# Altium PCB HallFM.PcbDoc
Units mm, origin at the board's own origin, x right, y up, seen from the top; angles counter-clockwise.
Board outline 376.73 x 193.8 mm, 4 copper layers (Top Layer, Signal Layer 1, Signal Layer 2, Bottom Layer), stack 0.778 mm thick; 232 components, 162 nets, 860 pads, 5 vias.
Unrouted connection lines stored in the file: 397.
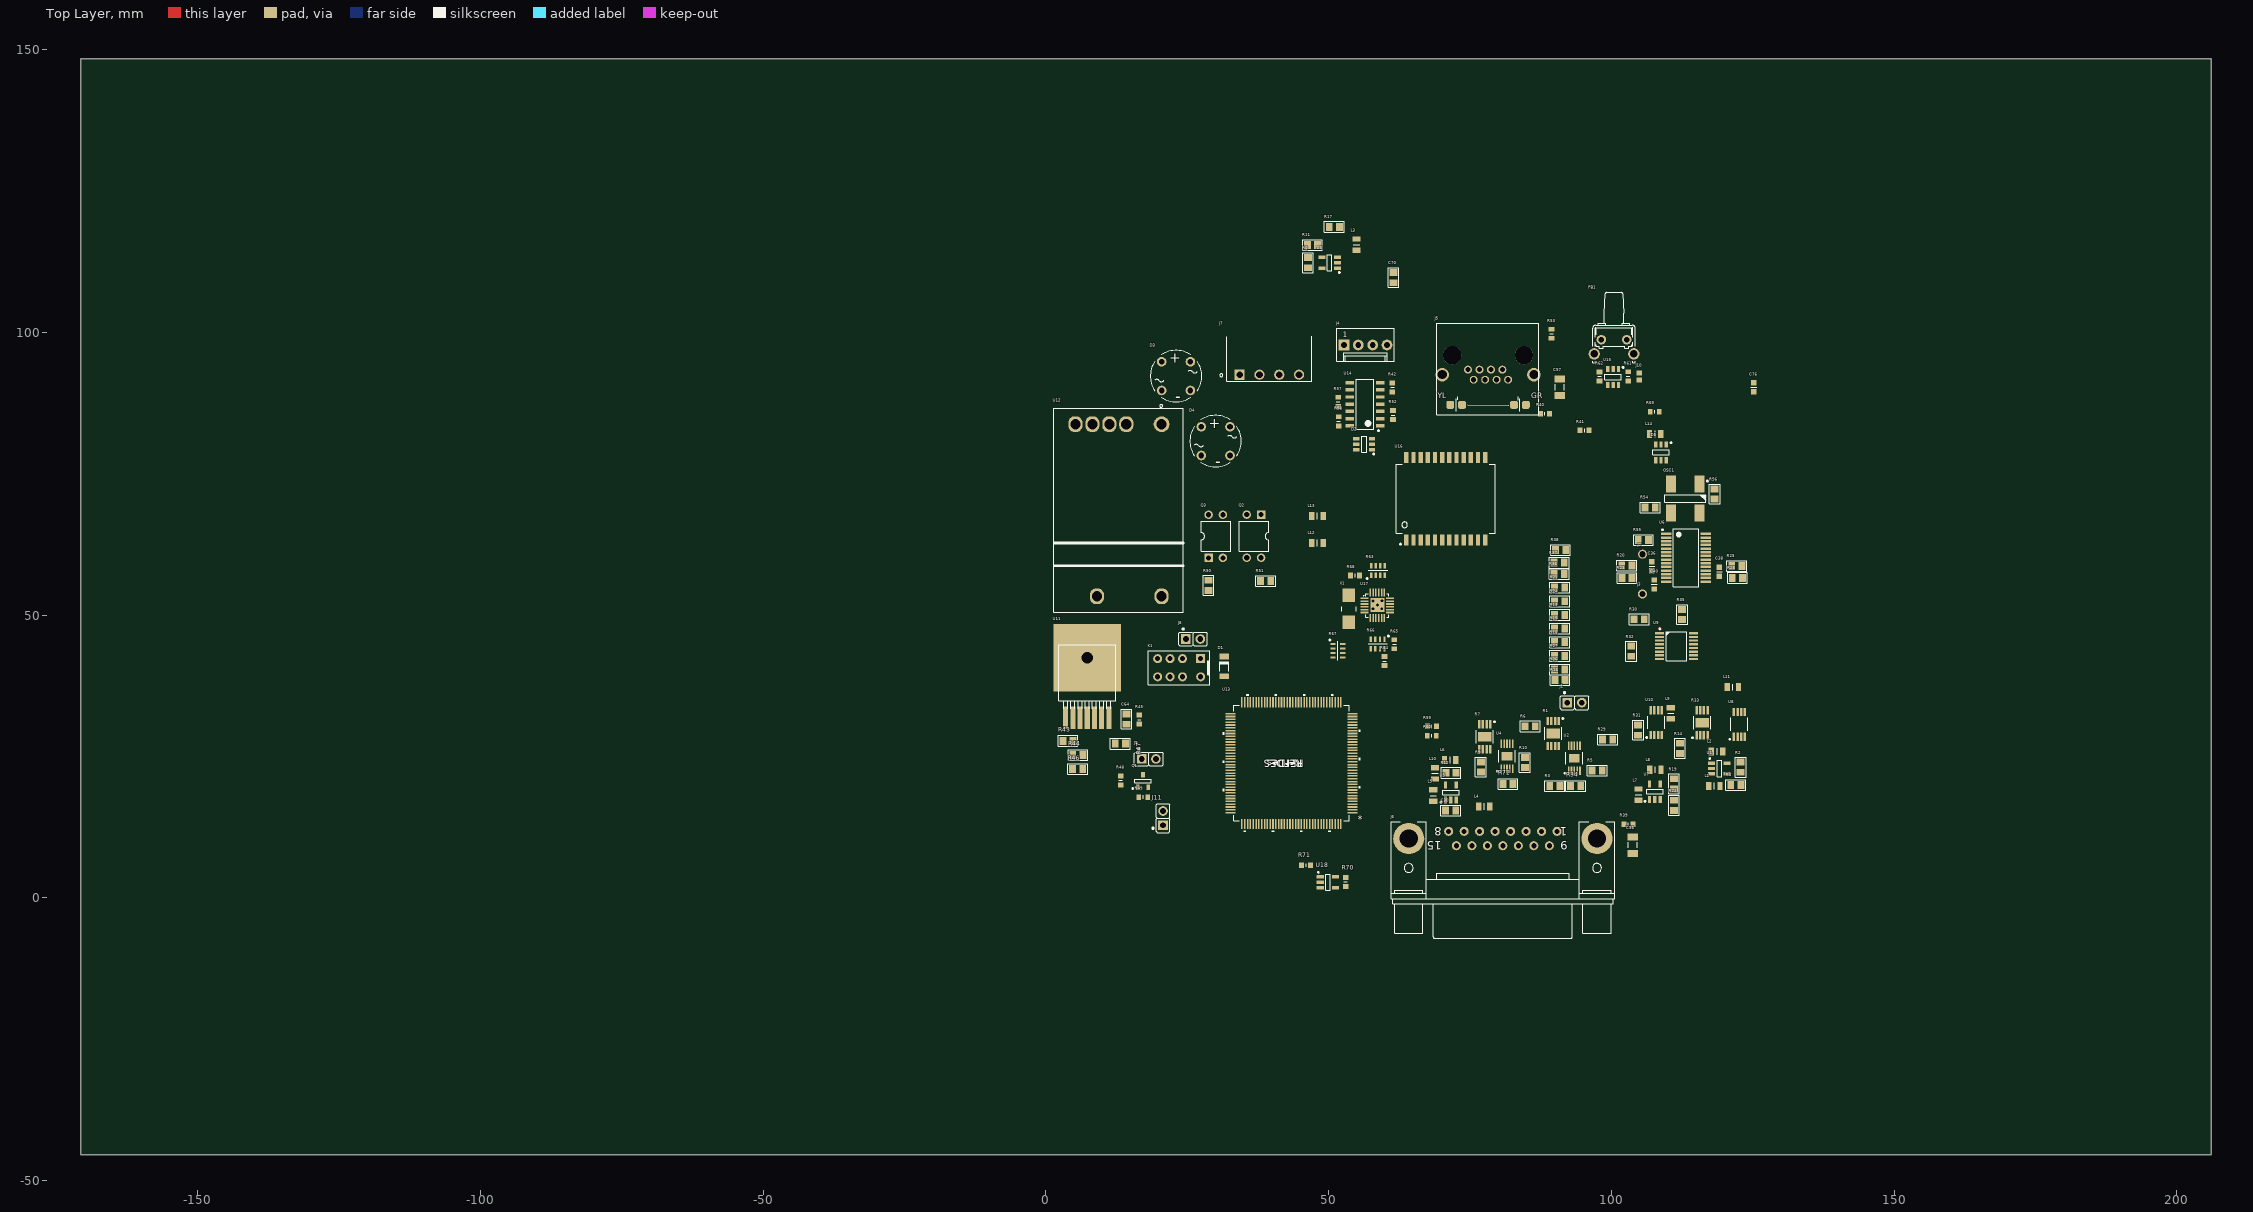
[diagram p0: Top Layer view]
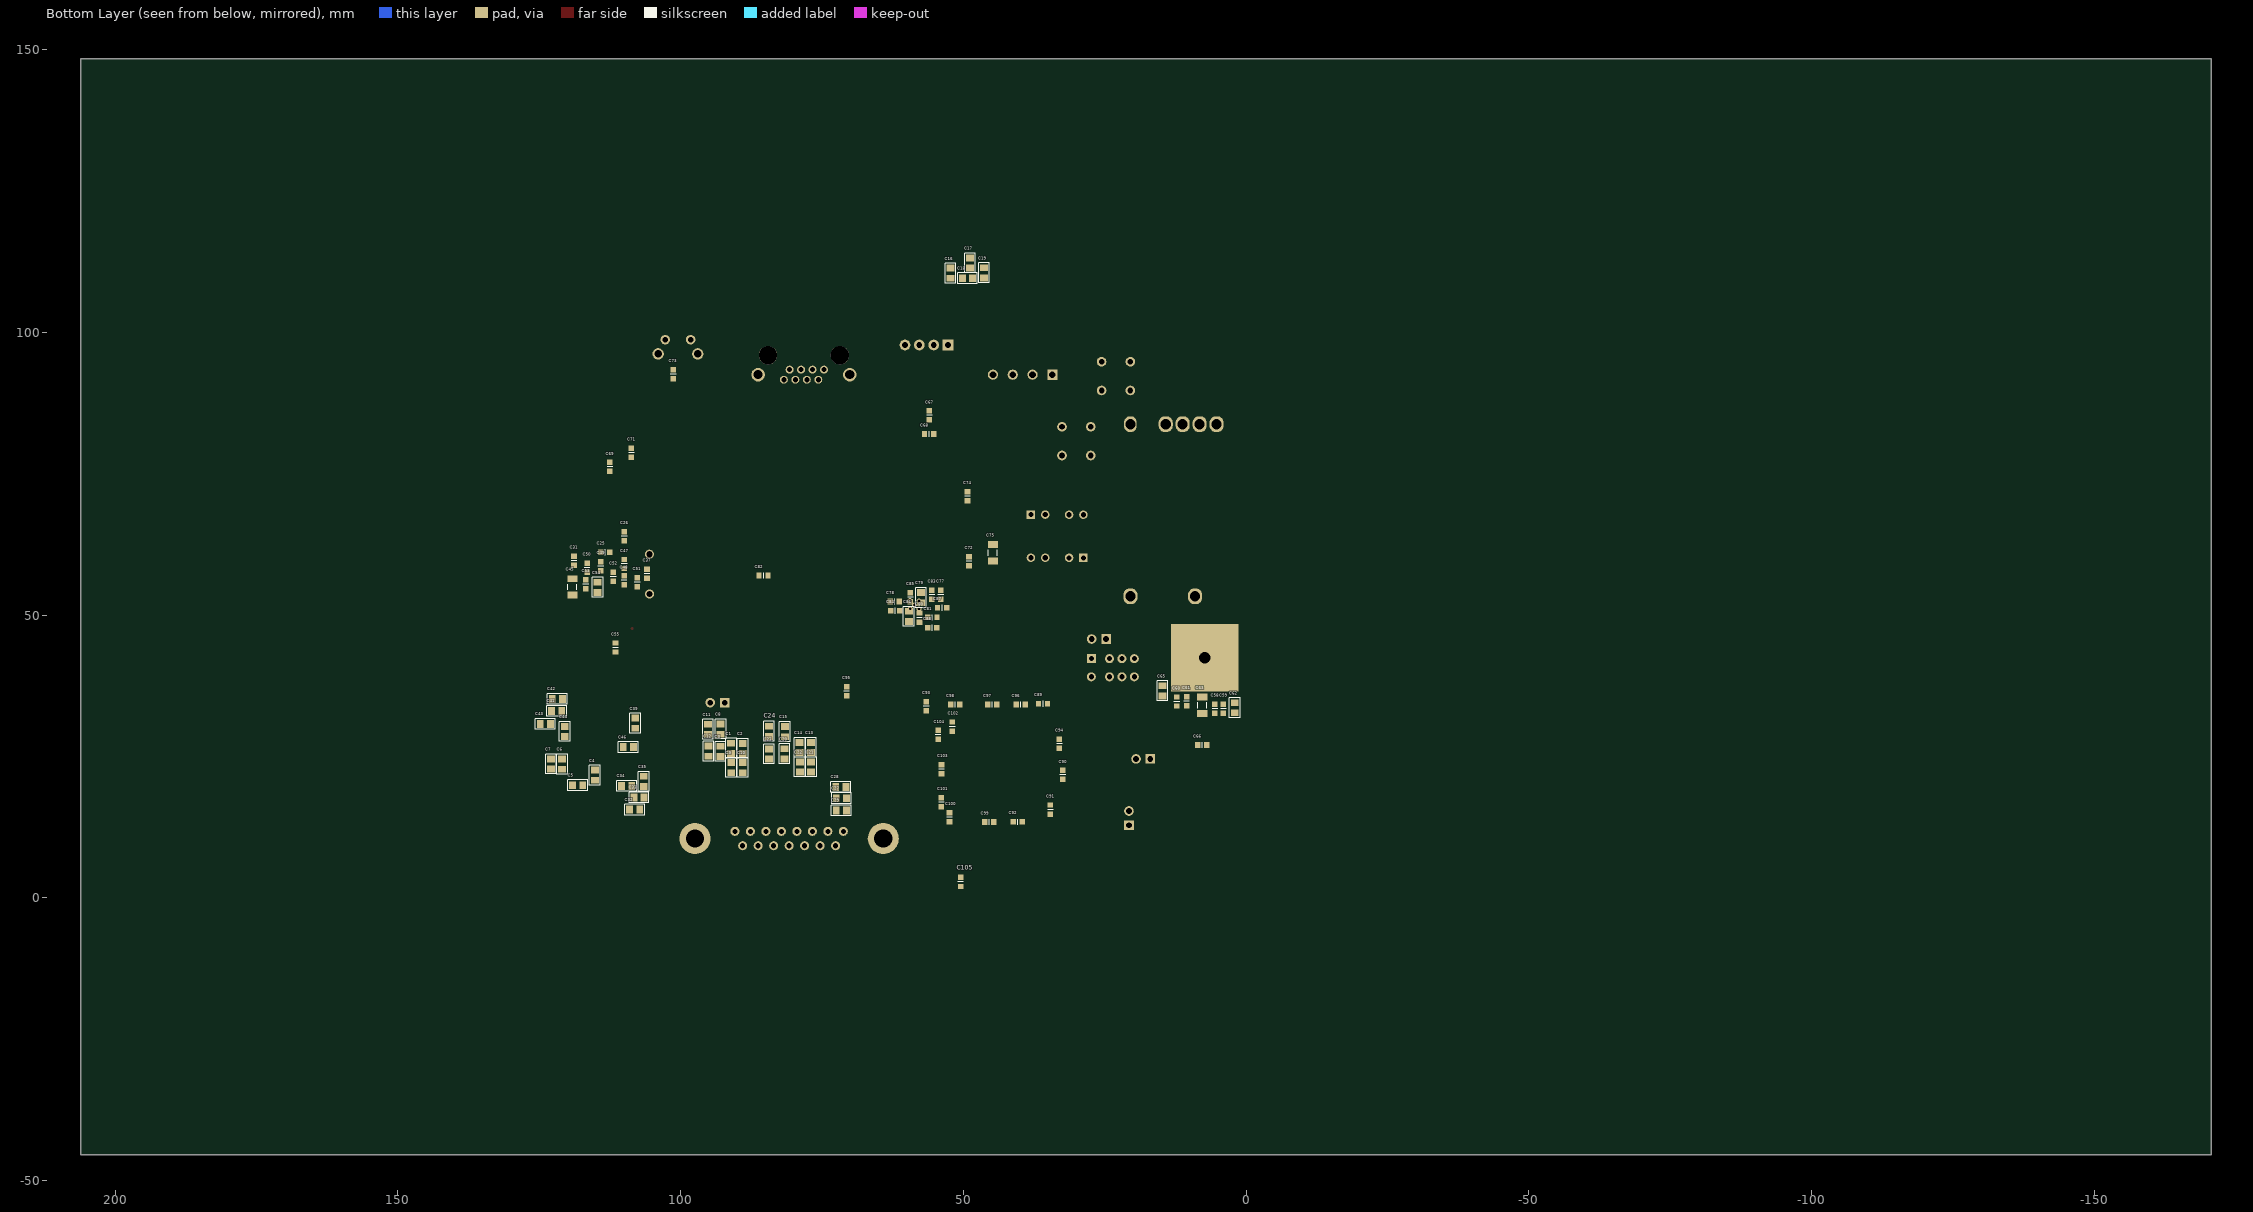
[diagram p1: Bottom Layer view, seen from below]

## Layer stack, top to bottom
Top Solder: solder mask 0.0102, Solder Resist, Dk 3.5
Top Layer: signal copper 0.0356
Dielectric 1: core 0.254, FR-4, Dk 4.2
Signal Layer 1: signal copper 0.036
Dielectric 3: prepreg 0.127, Dk 4.2
Signal Layer 2: signal copper 0.036
Dielectric 2: core 0.254, Dk 4.2
Bottom Layer: signal copper 0.0356
Bottom Solder: solder mask 0.0102, Solder Resist, Dk 3.5

## Board outline
-170.675,-45.45 206.05,-45.45 206.05,148.355 -170.675,148.355

## Design rules (kind name [scope] priority, off if disabled: settings)
Clearance MultyIn2 [OnLayer('Signal Layer 2') vs OnLayer('Multi-Layer')] p1: gap=0.254 ignorepadtopadclearanceinfootprint=TRUE except(0: Arc-Hole Track-Hole SMDPad-Hole THPad-Hole Via-Hole Fill-Hole Poly-Hole Region-Hole Text-Hole; 0.15: Arc-Arc Arc-Track Arc-THPad Track-Track Track-THPad SMDPad-SMDPad; 0.2: Arc-SMDPad Track-SMDPad)
Clearance MiltyIn1 [OnLayer('Signal Layer 1') vs OnLayer('Multi-Layer')] p2: gap=0.254 ignorepadtopadclearanceinfootprint=TRUE except(0: Arc-Hole Track-Hole SMDPad-Hole THPad-Hole Via-Hole Fill-Hole Poly-Hole Region-Hole Text-Hole; 0.15: Arc-Arc Arc-Track Arc-THPad Track-Track Track-THPad SMDPad-SMDPad; 0.2: Arc-SMDPad Track-SMDPad)
Clearance int2 [OnLayer('Signal Layer 2') vs OnLayer('Signal Layer 2')] p3: gap=0.254 ignorepadtopadclearanceinfootprint=TRUE except(0: Arc-Hole Track-Hole SMDPad-Hole THPad-Hole Via-Hole Fill-Hole Poly-Hole Region-Hole Text-Hole; 0.15: Arc-Arc Arc-Track Arc-THPad Track-Track Track-THPad SMDPad-SMDPad; 0.2: Arc-SMDPad Track-SMDPad)
Clearance AllLayers [OnLayer('Signal Layer 1') vs OnLayer('Signal Layer 1')] p4: gap=0.254 ignorepadtopadclearanceinfootprint=TRUE except(0: Arc-Hole Track-Hole SMDPad-Hole THPad-Hole Via-Hole Fill-Hole Poly-Hole Region-Hole Text-Hole; 0.15: Arc-Arc Arc-Track Arc-THPad Track-Track Track-THPad SMDPad-SMDPad; 0.2: Arc-SMDPad Track-SMDPad)
Clearance TopOverlay [OnLayer('Top Overlay') vs OnLayer('Top Layer')] p5: gap=0 ignorepadtopadclearanceinfootprint=TRUE except(0.254: Arc-Text Track-Text SMDPad-Text Via-Text Text-Text Text-Hole)
Clearance MultyBot [OnLayer('Bottom Layer') vs OnLayer('Multi-Layer')] p6: gap=0.254 ignorepadtopadclearanceinfootprint=TRUE except(0: Arc-Hole Track-Hole SMDPad-Hole THPad-Hole Via-Hole Fill-Hole Poly-Hole Region-Hole Text-Hole; 0.15: Arc-Arc Arc-Track Track-Track SMDPad-SMDPad; 0.2: Arc-SMDPad Arc-THPad Track-SMDPad Track-THPad)
Clearance MultyTop [OnLayer('Multi-Layer')] p7: gap=0.254 ignorepadtopadclearanceinfootprint=TRUE except(0: Arc-Hole Track-Hole SMDPad-Hole THPad-Hole Via-Hole Fill-Hole Poly-Hole Region-Hole Text-Hole; 0.15: Arc-SMDPad Arc-THPad Track-SMDPad Track-THPad SMDPad-SMDPad; 0.2: Arc-Arc Arc-Track Track-Track)
Clearance MulyMulty [OnLayer('Multi-Layer') vs OnLayer('Multi-Layer')] p8: gap=0.254 ignorepadtopadclearanceinfootprint=TRUE except(0: Arc-Hole Track-Hole SMDPad-Hole THPad-Hole Via-Hole Fill-Hole Poly-Hole Region-Hole Text-Hole; 0.2: Arc-Arc Arc-Track Arc-SMDPad Track-Track Track-SMDPad SMDPad-SMDPad)
Clearance TopTop [OnLayer('Top Layer') vs OnLayer('Top Layer')] p9: gap=0.254 ignorepadtopadclearanceinfootprint=TRUE except(0: Arc-Hole Track-Hole SMDPad-Hole THPad-Hole Via-Hole Fill-Hole Poly-Hole Region-Hole Text-Hole; 0.15: Arc-SMDPad Arc-THPad Track-SMDPad Track-THPad; 0.2: Arc-Arc Arc-Track Track-Track SMDPad-SMDPad; 0.5: THPad-Fill THPad-Poly THPad-Region)
Clearance BotBot [OnLayer('Bottom Layer') vs OnLayer('Bottom Layer')] p10: gap=0.254 ignorepadtopadclearanceinfootprint=TRUE except(0: Arc-Hole Track-Hole SMDPad-Hole THPad-Hole Via-Hole Fill-Hole Poly-Hole Region-Hole Text-Hole; 0.15: Arc-Arc Arc-Track Arc-THPad Track-Track Track-THPad SMDPad-SMDPad; 0.2: Arc-SMDPad Track-SMDPad; 0.5: THPad-Fill THPad-Poly THPad-Region)
DiffPairsRouting [All] p1: maxlimit=0.254 minlimit=0.254 mostfreqgap=0.254 toplayer_minwidth=0.381 toplayer_maxwidth=0.381 toplayer_prefwidth=0.381 midlayer1_minwidth=0.381 midlayer1_maxwidth=0.381 midlayer1_prefwidth=0.381 midlayer2_minwidth=0.381 midlayer2_maxwidth=0.381 midlayer2_prefwidth=0.381 bottomlayer_minwidth=0.381 bottomlayer_maxwidth=0.381 bottomlayer_prefwidth=0.381 maxuncoupledlength=12.7
Height [All] p1: minheight=0 maxheight=500 prefheight=12.7
HoleSize [All] p1: absolutevalues=TRUE maxlimit=10 minlimit=0.025 maxpercent=80.000 minpercent=20.000
MatchedLengths "Schematic Matched Net Lengths_3" [InNet('RD_P')] p1: tolerance=2.54 checknetsindiffpair=TRUE checkdiffpairvsdiffpair=FALSE checkxsignals=FALSE checkothers=FALSE
MatchedLengths "Schematic Matched Net Lengths_2" [InNet('RD_N')] p2: tolerance=2.54 checknetsindiffpair=TRUE checkdiffpairvsdiffpair=FALSE checkxsignals=FALSE checkothers=FALSE
MatchedLengths "Schematic Matched Net Lengths_1" [InNet('TD_N')] p3: tolerance=2.54 checknetsindiffpair=TRUE checkdiffpairvsdiffpair=FALSE checkxsignals=FALSE checkothers=FALSE
MatchedLengths "Schematic Matched Net Lengths" [InNet('TD_P')] p4: tolerance=2.54 checknetsindiffpair=TRUE checkdiffpairvsdiffpair=FALSE checkxsignals=FALSE checkothers=FALSE
PlaneConnect [All] p1: pad.planeconnectstyle=Relief pad.reliefexpansion=0.508 pad.reliefentries=4 pad.reliefconductorwidth=0.254 pad.reliefairgap=0.254 via.planeconnectstyle=Direct via.reliefexpansion=0.508 via.reliefentries=4 via.reliefconductorwidth=0.254 via.reliefairgap=0.254
PolygonConnect [All] p1: thpad.connectstyle=Relief thpad.reliefconductorwidth=0.254 thpad.reliefentries=4 thpad.polygonreliefangle="90 Angle" thpad.airgapwidth=0.5 smdpad.connectstyle=Relief smdpad.reliefconductorwidth=0.254 smdpad.reliefentries=4 smdpad.polygonreliefangle="90 Angle" smdpad.airgapwidth=0.5 via.connectstyle=Direct via.reliefconductorwidth=0.254 via.reliefentries=4 via.polygonreliefangle="90 Angle" via.airgapwidth=0.254
RoutingVias [All] p1: holewidth=0.4 width=1 viastyle="Through Hole" minholewidth=0.2 minwidth=0.6 maxholewidth=1.4 maxwidth=2
SolderMaskExpansion [All] p1: expansion=0.102
Width [All] p1: maxlimit=3 minlimit=0.15 preferedwidth=0.254 toplayer_prefwidth=0.25 midlayer1_minwidth=0.25 midlayer1_prefwidth=0.25 midlayer2_minwidth=0.25 midlayer2_prefwidth=0.25 bottomlayer_minwidth=0.2 minimp=50.000000 maximp=50.000000 favimp=50.000000
26 further rules are at their usual default settings.

## Classes and differential pairs
component class uC: C67 C68 C69 C70 C71 C72 C73 C74 C75 C76 C77 C78 C79 C80 C81 C82 C83 C84 C85 C86 C87 C88 C89 C90 C91 C92 C93 C94 C95 C96 C97 C98 C99 C100 C101 C102 C103 C104 C105 D2 D3 D4 D5 J10 L12 L13 L14 OSC1 PB1 R51 R52 R53 R54 R55 R56 R57 R58 R59 R60 R61 R62 R63 R64 R65 R66 R67 R68 R69 R70 R71 U13 U14 U15 U16 U17 U18 X1
component class Power: C58 C59 C60 C61 C62 C63 C64 C65 C66 D1 J8 J9 K1 Q1 Q2 Q3 R43 R44 R45 R46 R47 R48 R49 R50 U11 U12
component class main: C56 C57 J4 J5 J6 J7 R39 R40 R41 R42
component class "Current Srcs": C1 C2 C3 C4 C5 C6 C7 C8 C9 C10 C11 C12 C13 C14 C15 C16 C17 C18 C19 C20 C21 C22 C23 C24 J1 J11 L1 L2 L3 L4 R1 R2 R3 R4 R5 R6 R7 R8 R9 R10 R11 R34 R72 U1 U2 U3 U4
component class ADC: C25 C26 C27 C28 C29 C30 C31 C32 C33 C34 C35 C36 C37 C38 C39 C40 C41 C42 C43 C44 C45 C46 C47 C48 C49 C50 C51 C52 C53 C54 C55 J2 J3 L5 L6 L7 L8 L9 L10 L11 R12 R13 R14 R15 R16 R17 R18 R19 R20 R21 R22 R23 R24 R25 R26 R27 R28 R29 R30 R31 R32 R33 R35 R36 R37 R38 U5 U6 U7 U8 U9 U10
differential pair TD: +TD_P -TD_N
differential pair RD: +RD_P -RD_N

## Components (designator, comment, footprint, x,y, rotation, side; value= is the part's Value field where it differs from the comment)
C1 "10uF" SMD0805CAP 91.052,27.427 r270 bottom
C2 "33nF" SMD0805CAP 89.002,27.402 r270 bottom
C3 "33nF" SMD0805CAP 92.95,24.875 r90 bottom
C4 "33nF" SMD0805CAP 115.152,22.677 r270 bottom
C5 "10uF" SMD0805CAP 119.202,19.898 r180 bottom
C6 "33nF" SMD0805CAP 120.925,22.625 r90 bottom
C7 "10uF" SMD0805CAP 122.925,22.65 r90 bottom
C8 "10uF" SMD0805CAP 92.902,30.827 r270 bottom
C9 "33nF" SMD0805CAP 91.027,24.027 r270 bottom
C10 "10uF" SMD0805CAP 89.002,24.027 r270 bottom
C11 "10uF" SMD0805CAP 95.127,30.802 r270 bottom
C12 "33nF" SMD0805CAP 95.048,24.923 r90 bottom
C13 "10uF" SMD0805CAP 76.952,27.577 r270 bottom
C14 "33nF" SMD0805CAP 78.927,27.577 r270 bottom
C15 "33nF" SMD0805CAP 81.552,30.377 r270 bottom
C16 "33nF" SMD0805CAP 52.248,109.448 r90 bottom
C17 "10uF" SMD0805CAP 48.823,111.248 r90 bottom
C18 "33nF" SMD0805CAP 50.252,109.548 r180 bottom
C19 "10uF" SMD0805CAP 46.352,111.502 r270 bottom
C20 "10uF" SMD0805CAP 81.598,24.448 r90 bottom
C21 "33nF" SMD0805CAP 76.902,24.127 r270 bottom
C22 "10uF" SMD0805CAP 78.902,24.127 r270 bottom
C23 "10uF" SMD0805CAP 84.348,24.423 r90 bottom
C24 "33nF" SMD0805CAP 84.373,28.423 r90 bottom
C25 "33nF" CAPC1608X87N 113.3,61.1 r180 bottom
C26 "33nF" CAPC1608X87N 109.95,63.95 r270 bottom
C27 "33nF" SMD0805CAP 72.552,17.598 r180 bottom
C28 "10uF" SMD0805CAP 72.652,19.598 r180 bottom
C29 "33nF" SMD0805CAP 70.573,15.427 r0 bottom
C30 "10uF" SMD0805CAP 70.573,15.423 r0 top
C31 "33nF" CAPC1608X87N 118.825,59.575 r270 bottom
C32 "33nF" SMD0805CAP 107.098,15.577 r0 bottom
C33 "10uF" SMD0805CAP 108.352,17.748 r180 bottom
C34 "33nF" SMD0805CAP 110.527,19.748 r180 bottom
C35 "10uF" SMD0805CAP 106.502,21.577 r270 bottom
C36 "33nF" CAPC1608X87N 107.15,58.6 r90 top
C37 "33nF" CAPC1608X87N 105.925,57.3 r90 bottom
C38 "33nF" CAPC1608X87N 119.075,57.675 r90 top
C39 "33nF" SMD0805CAP 107.998,29.873 r90 bottom
C40 "33nF" CAPC1608X87N 107.575,55.4 r90 top
C41 "33nF" SMD0805CAP 120.898,33.027 r0 bottom
C42 "10uF" SMD0805CAP 120.773,35.152 r0 bottom
C43 "10uF" SMD0805CAP 124.9,30.725 r180 bottom
C44 "33nF" SMD0805CAP 120.477,30.402 r270 bottom
C45 "33n" CAPC1206 119.125,54.975 r90 bottom
C46 "33nF" SMD0805CAP 110.227,26.623 r180 bottom
C47 "3.3nF" CAPC1608X87N 109.95,59.025 r270 bottom
C48 "3.3nF" CAPC1608X87N 109.975,56.125 r90 bottom
C49 "3.3nF" CAPC1608X87N 114.1,58.625 r270 bottom
C50 "3.3nF" CAPC1608X87N 116.525,58.375 r270 bottom
C51 "3.3nF" CAPC1608X87N 107.65,55.775 r90 bottom
C52 "3.3nF" CAPC1608X87N 111.9,56.75 r270 bottom
C53 "3.3nF" CAPC1608X87N 116.75,55.45 r90 bottom
C54 "3.3nF" SMD0805CAP 114.648,53.898 r90 bottom
C55 "33nF" CAPC1608X87N 111.5,44.25 r90 bottom
C56 "1nF" CAPC1206 103.75,9.3 r90 top
C57 "1nF" CAPC1206 90.85,90.275 r90 top
C58 "33nF" CAPC1608X87N 5.5,33.45 r270 bottom
C59 "33nF" CAPC1608X87N 4,33.45 r270 bottom
C60 "33nF" CAPC1608X87N 12.25,34.7 r270 bottom
C61 "33nF" CAPC1608X87N 10.5,34.75 r270 bottom
C62 "1uF" SMD0805CAP 2.002,34.602 r270 bottom
C63 "10uF" CAPC1206 7.75,34.05 r270 bottom
C64 "33nF" SMD0805CAP 14.252,30.598 r90 top
C65 "1uF" SMD0805CAP 14.752,37.602 r270 bottom
C66 "33nF" CAPC1608X87N 7.75,27 r0 bottom
C67 "33nF" CAPC1608X87N 56,85.3 r270 bottom
C68 "33nF" CAPC1608X87N 56.05,82 r180 bottom
C69 "33nF" CAPC1608X87N 112.5,76.2 r270 bottom
C70 "10uF" SMD0805CAP 61.477,108.673 r90 top
C71 "33nF" CAPC1608X87N 108.7,78.7 r90 bottom
C72 "33nF" CAPC1608X87N 49,59.5 r90 bottom
C73 "33nF" CAPC1608X87N 101.3,92.583 r270 bottom
C74 "33nF" CAPC1608X87N 49.25,71 r270 bottom
C75 "10uF" CAPC1206 44.75,61 r90 bottom
C76 "33nF" CAPC1608X87N 125.15,90.25 r90 top
C77 "33nF" CAPC1608X87N 53.975,53.575 r90 bottom
C78 "33nF" CAPC1608X87N 62.1,52.4 r0 bottom
C79 "10uF" SMD0805CAP 57.473,52.073 r90 bottom
C80 "33nF" CAPC1608X87N 57.75,49.55 r270 bottom
C81 "470pF" CAPC1608X87N 55.45,49.575 r0 bottom
C82 "33nF" CAPC1608X87N 85.325,56.985 r180 bottom
C83 "100nF" CAPC1608X87N 55.55,53.575 r90 bottom
C84 "33nF" CAPC1608X87N 62.05,50.75 r0 bottom
C85 "33nF" CAPC1608X87N 59.35,53.15 r90 bottom
C86 "10uF" SMD0805CAP 59.627,50.752 r270 bottom
C87 "30pF" CAPC1608X87N 53.75,51.275 r180 bottom
C88 "30pF" CAPC1608X87N 55.5,47.75 r180 bottom
C89 "33nF" CAPC1608X87N 35.9,34.3 r180 bottom
C90 "33nF" CAPC1608X87N 32.4,21.725 r270 bottom
C91 "33nF" CAPC1608X87N 34.6,15.6 r90 bottom
C92 "33nF" CAPC1608X87N 40.375,13.425 r0 bottom
C93 "33nF" CAPC1608X87N 56.55,33.86 r90 bottom
C94 "33nF" CAPC1608X87N 33,27.225 r270 bottom
C95 "33nF" CAPC1608X87N 70.625,36.525 r90 bottom
C96 "33nF" CAPC1608X87N 39.85,34.175 r180 bottom
C97 "33nF" CAPC1608X87N 44.9,34.175 r180 bottom
C98 "33nF" CAPC1608X87N 51.425,34.175 r180 bottom
C99 "33nF" CAPC1608X87N 45.4,13.4 r0 bottom
C100 "33nF" CAPC1608X87N 52.425,14.225 r270 bottom
C101 "33nF" CAPC1608X87N 53.875,16.9 r90 bottom
C102 "33nF" CAPC1608X87N 51.95,30.275 r90 bottom
C103 "33nF" CAPC1608X87N 53.85,22.725 r90 bottom
C104 "33nF" CAPC1608X87N 54.45,28.8 r270 bottom
C105 "33nF" CAPC1608X87N 50.475,2.8 r90 bottom
D1 "DL4448" DIOMELF3515N 31.525,40.925 r270 top
D2 "IP4220CZ6" SOT95P270X145-6N 56.25,80.2 r180 top
D3 "W02G" RECTRON_RB15 23,92.25 r0 top
D4 "W02G" RECTRON_RB15 30,80.75 r0 top
D5 "IP4220CZ6" SOT95P270X145-6N 108.75,78.775 r270 top
J1 "PLS2" PLS2 92.21,34.5 r0 top
J2 "PLS1PGA_outP" PLS1 105.5,60.75 r0 top value=PGA_outP
J3 "PLS1PGA_out N" PLS1 105.475,53.725 r0 top value="PGA_out N"
J4 "WF4" WF4_2_54 56.5,97.75 r0 top
J5 "Molex_438600010" Molex-43860-0010 74.619,93.385 r270 top
J6 "DBR-15F" AMPHENOL_L717DFA15S1ATN 80.795,10.47 r180 top
J7 "15EDGRC-3.5-04P-14" TE_284512-4 39.5,92.5 r0 top
J8 "PLS2MW_EN" PLS2 24.75,45.75 r0 top value=MW_EN
J9 "PLS2" PLS2 16.91,24.55 r0 top
J10 "JmpPCB" PCBJumper 104.9,92.183 r90 top
J11 "PLS2" PLS2 20.7,12.8 r90 top
K1 "G6J-2P-Y12VDC" REL_OMRON_G6J-2P-Y 23.55,40.675 r180 top value=12VDC
L1 "BLM211k" RESC2012X50N 118.2,19.75 r180 top value=1k
L2 "BLM211k" RESC2012X50N 118.675,25.875 r180 top value=1k
L3 "BLM211k" RESC2012X50N 54.9,115.5 r270 top value=1k
L4 "BLM211k" RESC2012X50N 77.5,16.15 r0 top value=1k
L5 "BLM211k" RESC2012X50N 68.5,18.075 r270 top value=1k
L6 "BLM211k" RESC2012X50N 71.475,24.35 r0 top value=1k
L7 "BLM211k" RESC2012X50N 104.775,18.225 r270 top value=1k
L8 "BLM211k" RESC2012X50N 107.75,22.625 r180 top value=1k
L9 "BLM211k" RESC2012X50N 110.475,32.625 r90 top value=1k
L10 "BLM211k" RESC2012X50N 68.8,22 r270 top value=1k
L11 "BLM211k" RESC2012X50N 121.475,37.25 r180 top value=1k
L12 "BLM211k" RESC2012X50N 48,62.75 r0 top value=1k
L13 "BLM211k" RESC2012X50N 48,67.5 r0 top value=1k
L14 "BLM211k" RESC2012X50N 107.725,82 r180 top value=1k
OSC1 "DSC1001/3/44.9152MHz" OSC_JAUCH_VX3 113.04,70.6 r270 top value=4.9152MHz
PB1 "#NAME?" PB_ALPS_SKHHLQA010 100.45,97.433 r270 top value="Man. Reset"
Q1 "AO3407A" SOT95P229X119-3N 17.15,20.65 r90 top
Q2 "817B" DIP4-300 36.77,63.94 r270 top
Q3 "817B" DIP4-300 30.025,63.925 r90 top
R1 "LT5400-6" SOP65P488X110-9N-R178X241 89.7,29.05 r270 top value=-6
R2 "1k" SMD0805RES 122.852,22.098 r90 top
R3 "1k5" SMD0805RES 88.973,19.748 r0 top
R4 "5k1" SMD0805RES 120.998,19.923 r0 top
R5 "20k" SMD0805RES 98.477,22.502 r180 top
R6 "Y1172_200R0000F" SMD0805RES 84.623,30.323 r0 top value=200R0000F
R7 "LT5400-6" SOP65P488X110-9N-R178X241 77.6,28.475 r270 top value=-6
R8 "0" SMD0805RES 46.348,113.302 r270 top
R9 "1k5" SMD0805RES 76.902,22.123 r90 top
R10 "20k" SMD0805RES 84.673,24.927 r270 top
R11 "5k1" SMD0805RES 48.127,115.452 r180 top
R12 "0" SMD0805RES 72.627,22.102 r180 top
R13 "1k" SMD0805RES 91.852,50.027 r180 top
R14 "5k1" SMD0805RES 112.098,27.427 r270 top
R15 "1k" SMD0805RES 91.852,47.614 r180 top
R16 "1k" SMD0805RES 91.902,38.502 r180 top
R17 "1k" SMD0805RES 49.998,118.648 r0 top
R18 "1k" SMD0805RES 91.852,45.202 r180 top
R19 "0" SMD0805RES 111.077,19.15 r90 top
R20 "1k" SMD0805RES 101.723,58.748 r0 top
R21 "100" SMD0805RES 91.852,54.852 r180 top
R22 "5k1" SMD0805RES 111.077,15.348 r90 top
R23 "1k" SMD0805RES 101.748,56.523 r0 top
R24 "1k" SMD0805RES 91.852,52.439 r180 top
R25 "1k" SMD0805RES 123.177,58.677 r180 top
R26 "1k" SMD0805RES 91.852,40.377 r180 top
R27 "1k" SMD0805RES 91.852,42.789 r180 top
R28 "1k" SMD0805RES 123.277,56.577 r180 top
R29 "1k" SMD0805RES 98.323,27.998 r0 top
R30 "1k" SMD0805RES 103.898,49.248 r0 top
R31 "1k" SMD0805RES 104.727,28.648 r90 top
R32 "1k" SMD0805RES 103.502,42.598 r90 top
R33 "LT5400-7" SOP65P488X110-9N-R178X241 116.025,30.95 r90 top value=-7
R34 "1k" SMD0805RES 94.677,19.777 r180 top
R35 "1k" SMD0805RES 112.502,49.098 r90 top
R36 "1k" SMD0805RES 89.75,57.25 r0 top
R37 "1k" SMD0805RES 89.75,59.249 r0 top
R38 "1k" SMD0805RES 90,61.498 r0 top
R39 "27k" RESC1608X64N 103,13 r180 top
R40 "300" RESC1608X64N 88.225,85.6 r0 top